# Altium PCB BACKPMANv21.PcbDoc (part 2 of 5)
Units mm, origin at the board's own origin, x right, y up, seen from the top; angles counter-clockwise.
Board outline 113 x 160 mm, 4 copper layers (Component Side, Layer 1, Layer 2, Bottom Layer), stack 1.637 mm thick; 353 components, 234 nets, 1200 pads, 796 vias.
Unrouted connection lines stored in the file: 4.
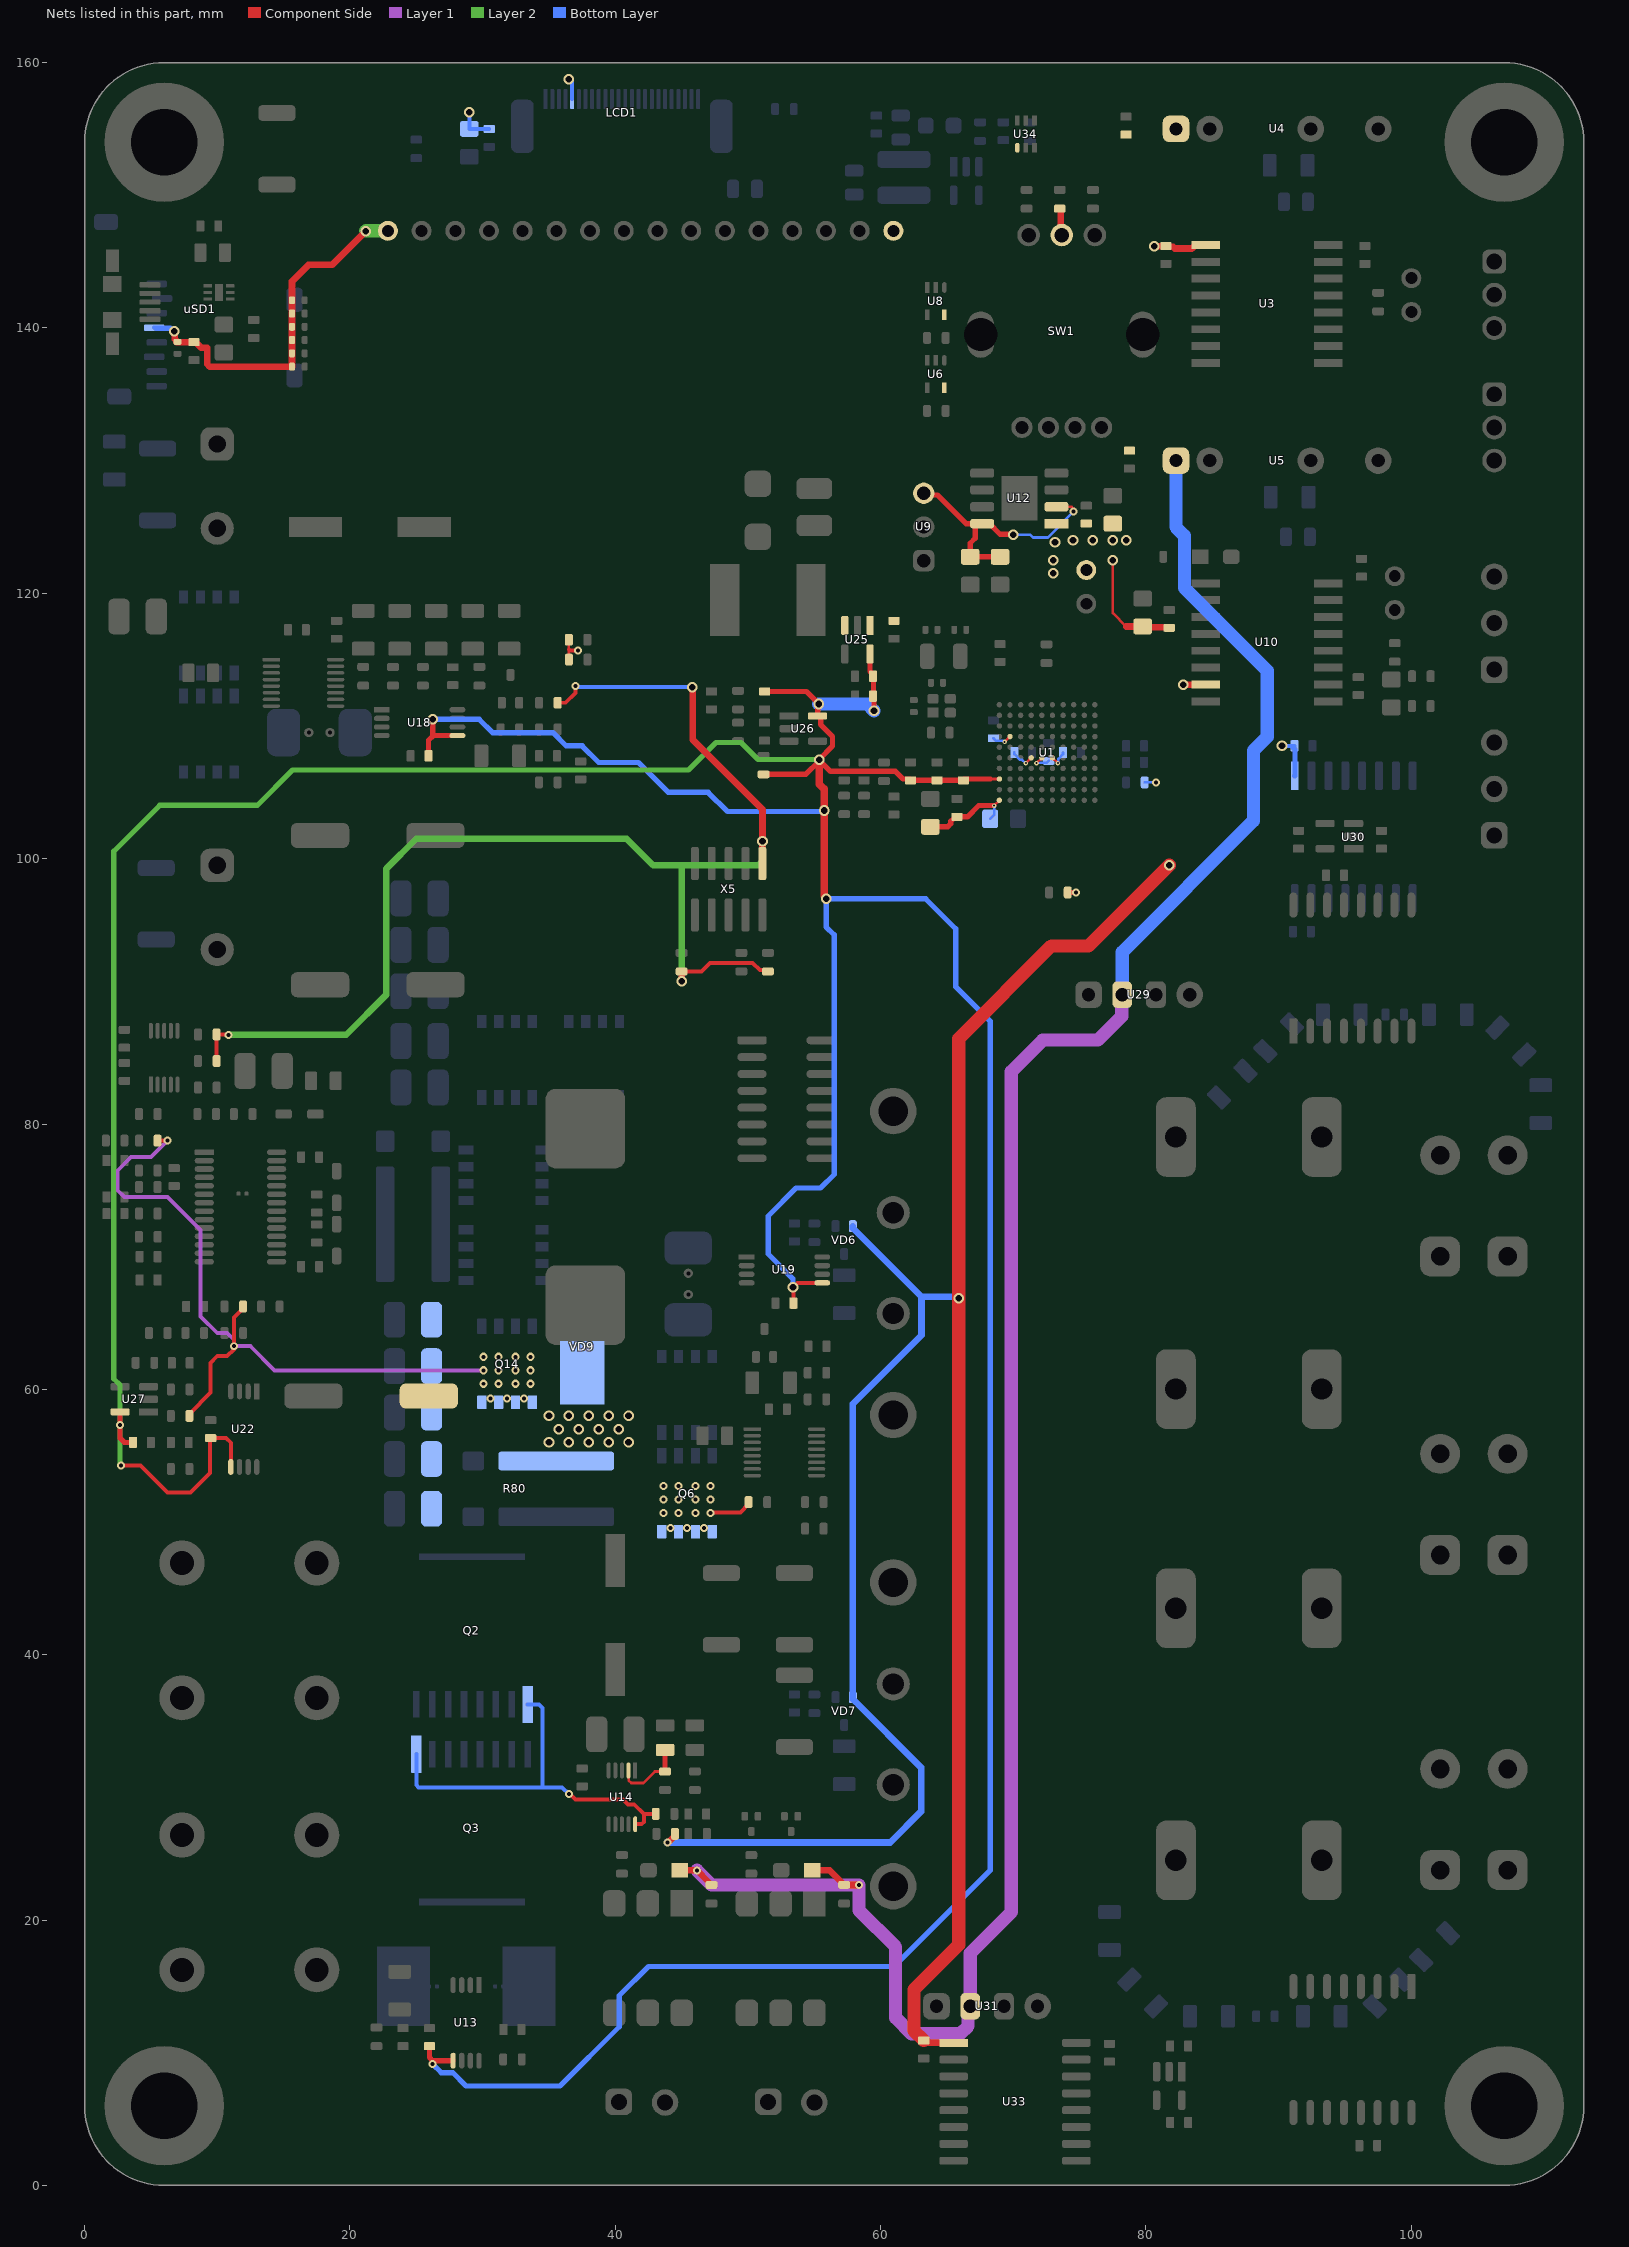
[diagram p4: the nets of this part, all layers, seen from the top]

## Part data
C1 C4 C10 C22 C30 C35 C37 C39 C40 C42 C43 C45 C46 C58 C89: library part CVNF100K0603-25, "0.1 uF, 50V, 10% , X7R,  0603 SMD MLC Capacitor", Manufacturer=WALSIN, PartName=0603B104K500CT, PartNum=2496834, Tolerance=±10%, Voltage="50 V", Distributor=Farnell
C2 C18 C19 C20 C21 C36 C41 C48: "CAP CER 10UF 10V 10% X5R 0805", Manufacturer="Taiyo Yuden", PartName=LMK212B7106KG-TD, PartNum=587-2668-1-ND, Tolerance=10%, Voltage=10V, Distributor=Digi-Key
  C18 C19 C20 C21 C36: Price=0.102$
C3 C5 C115: library part TMK212BBJ106KG-T, "10µF, ±10%, 25V, X5R, 0805 (2012 Metric), -55°C ~ 85°C, -, General Purpose", Manufacturer="Taiyo Yuden", Operating Temperature="-55°C ~ 85°C", Package / Case="0805 (2012 Metric)", PartNum=587-2985-1-ND, Temperature Coefficient=X5R, Tolerance=±10%, Voltage - Rated=25V, Distributor=Digi-Key, Features=-, Part Number=TMK212BBJ106KG-T, PartName=TMK212BBJ106KG-T, Price=0.26000
C6: library part CC0603KRX7R8BB222, "2200pF, ±10%, 25V, X7R, 0603 (1608 Metric), -55°C ~ 125°C, -, General Purpose", Manufacturer=Yageo, Operating Temperature="-55°C ~ 125°C", Package / Case="0603 (1608 Metric)", PartNum=311-3653-1-ND, Temperature Coefficient=X7R, Tolerance=±10%, Voltage - Rated=25V, Distributor=Digi-Key, Features=-, PartName=CC0603KRX7R8BB222, Part Number=CC0603KRX7R8BB222, Price=0.01610
C7 C8 C9 C38 C50 C57 C86 C107 C110 C111 C112: library part CL10B104KO8NNNC, "0.1µF, ±10%, 16V, X7R, 0603 (1608 Metric), -55°C ~ 125°C, -, General Purpose", Manufacturer="Samsung Electro-Mechanics", Operating Temperature="-55°C ~ 125°C", Package / Case="0603 (1608 Metric)", PartNum=1276-1005-1-ND, Temperature Coefficient=X7R, Tolerance=±10%, Voltage - Rated=16V, Distributor=Digi-Key, Features=-, PartName=CL10B104KO8NNNC, Part Number=CL10B104KO8NNNC, Price=0.01480
C11 C12: library part 0402N120G500CT, "12pF, ±2%, 50V, C0G, NP0, 0402 (1005 Metric), -55°C ~ 125°C, -, General Purpose", Manufacturer="Walsin Technology Corporation", Operating Temperature="-55°C ~ 125°C", Package / Case="0402 (1005 Metric)", PartNum=1292-1250-1-ND, Temperature Coefficient="C0G, NP0", Tolerance=±2%, Voltage - Rated=50V, Distributor=Digi-Key, Features=-, Part Number=0402N120G500CT, PartName=0402N120G500CT, Price=0.10000
C13 C14: library part GCM1555C1H100FA16D, "10pF, ±1%, 50V, C0G, NP0, 0402 (1005 Metric), -55°C ~ 125°C, -, Automotive", Manufacturer="Murata Electronics North America", Operating Temperature="-55°C ~ 125°C", Package / Case="0402 (1005 Metric)", PartNum=490-14348-1-ND, Temperature Coefficient="C0G, NP0", Tolerance=±1%, Voltage - Rated=50V, Distributor=Digi-Key, Features=-, Part Number=GCM1555C1H100FA16D, PartName=GCM1555C1H100FA16D, Price=0.15000
C15 C16 C17 C31 C93: library part CC0603KRX5R7BB225, "2.2µF, ±10%, 16V, X5R, 0603 (1608 Metric), -55°C ~ 85°C, -, General Purpose", Manufacturer=Yageo, Operating Temperature="-55°C ~ 85°C", Package / Case="0603 (1608 Metric)", PartNum=311-1784-1-ND, Temperature Coefficient=X5R, Tolerance=±10%, Voltage - Rated=16V, Distributor=Digi-Key, Features=-, Part Number=CC0603KRX5R7BB225, PartName=CC0603KRX5R7BB225, Price=0.07420
C23: "10uF, 50V, 20%, Y5V (F), 1210", Manufacturer="Taiyo Yuden", PartName=UMK325BJ106MM-T, PartNum=587-2225-2-ND, Tolerance=20%, Voltage=50V, Distributor=Digi-Key, Price=0.16$
C24 C90 C92 C94 C99: library part CC0603JRX7R9BB102, "1000pF, ±5%, 50V, X7R, 0603 (1608 Metric), -55°C ~ 125°C, -, General Purpose", Manufacturer=Yageo, Operating Temperature="-55°C ~ 125°C", Package / Case="0603 (1608 Metric)", PartNum=311-3361-1-ND, Temperature Coefficient=X7R, Tolerance=±5%, Voltage - Rated=50V, Distributor=Digi-Key, Features=-, Part Number=CC0603JRX7R9BB102, PartName=CC0603JRX7R9BB102, Price=0.01920
C25 C59 C74: library part 885012206034, "1000pF, ±10%, 16V, X7R, 0603 (1608 Metric), -55°C ~ 125°C, -, General Purpose", Manufacturer="Wurth Electronics Inc.", Operating Temperature="-55°C ~ 125°C", Package / Case="0603 (1608 Metric)", PartNum=732-7953-1-ND, Temperature Coefficient=X7R, Tolerance=±10%, Voltage - Rated=16V, Distributor=Digi-Key, Features=-, PartName=885012206034, Part Number=885012206034, Price=0.01920
C26 C29 C51 C52 C76 C77 C87 C88 C97 C98 C103: library part GCM188L81H104KA57D, "0.1µF, ±10%, 50V, X8L, 0603 (1608 Metric), -55°C ~ 150°C, -, Automotive", Manufacturer="Murata Electronics North America", Operating Temperature="-55°C ~ 150°C", Package / Case="0603 (1608 Metric)", PartNum=490-6049-1-ND, Temperature Coefficient=X8L, Tolerance=±10%, Voltage - Rated=50V, Distributor=Digi-Key, Features=-, Part Number=GCM188L81H104KA57D, PartName=GCM188L81H104KA57D, Price=0.06240
C27 C53: "330 uF, 50V, 120 mOhm @ 100kHz, 585 mA, 10x10, -50...+105 C", Manufacturer="Panasonic Electronic Components", Tolerance=±20%, Voltage="50 V", Distributor=Digi-Key, PartName=EEE-FT1H331GP, PartNum=EEE-FT1H331GP, Price=1.22$
C28 C54 C62 C63 C64 C65 C66 C69 C70 C71 C72 C73 C75: library part C3225X7S1H106K250AB, "10µF, ±10%, 50V, X7S, 1210 (3225 Metric), -55°C ~ 125°C, Low ESL, General Purpose", Manufacturer="TDK Corporation", Operating Temperature="-55°C ~ 125°C", Package / Case="1210 (3225 Metric)", PartNum=445-4536-1-ND, Temperature Coefficient=X7S, Tolerance=±10%, Voltage - Rated=50V, Distributor=Digi-Key, Features="Low ESL", PartName=C3225X7S1H106K250AB, Part Number=C3225X7S1H106K250AB, Price=0.71160
C32 C44 C49 C91: "10 nF, 50V, 10%, X7R, 0603 SMD MLC Capacitor", Manufacturer="Murata Electronics", PartName=GRM188R71H103KA01D, PartNum=490-1512-1-ND, Tolerance=±10%, Voltage="50 V", Distributor=Digi-Key
C33: library part GRT188R61C106KE13D, "10µF, ±10%, 16V, X5R, 0603 (1608 Metric), -55°C ~ 85°C, -, Automotive", Manufacturer="Murata Electronics North America", Operating Temperature="-55°C ~ 85°C", Package / Case="0603 (1608 Metric)", PartNum=490-12317-1-ND, Temperature Coefficient=X5R, Tolerance=±10%, Voltage - Rated=16V, Distributor=Digi-Key, Features=-, Part Number=GRT188R61C106KE13D, PartName=GRT188R61C106KE13D, Price=0.22770
C34: library part 0402B104K500CT, "0.1µF, ±10%, 50V, X7R, 0402 (1005 Metric), -55°C ~ 125°C, -, General Purpose", Manufacturer="Walsin Technology Corporation", Operating Temperature="-55°C ~ 125°C", Package / Case="0402 (1005 Metric)", PartNum=1292-1176-1-ND, Temperature Coefficient=X7R, Tolerance=±10%, Voltage - Rated=50V, Distributor=Digi-Key, Features=-, Part Number=0402B104K500CT, PartName=0402B104K500CT, Price=0.19000
C47: "10 uF, 6.3V, X5R, 10%, 0805", Manufacturer=Murata, PartNum=490-1717-1-ND, Tolerance=10%, Voltage=6.3V, Distributor=Digi-Key, PartName=GRM21BR60J106KE19L, Price=0.4$
C55 C56: library part CL10B102KB8NNWC, "1000pF, ±10%, 50V, X7R, 0603 (1608 Metric), -55°C ~ 125°C, -, General Purpose", Manufacturer="Samsung Electro-Mechanics", Operating Temperature="-55°C ~ 125°C", Package / Case="0603 (1608 Metric)", PartNum=1276-1915-1-ND, Temperature Coefficient=X7R, Tolerance=±10%, Voltage - Rated=50V, Distributor=Digi-Key, Features=-, PartName=CL10B102KB8NNWC, Part Number=CL10B102KB8NNWC, Price=0.01410
C60 C104 C105 C106 C108 C109: library part CL10B105KO8NNNC, "1µF, ±10%, 16V, X7R, 0603 (1608 Metric), -55°C ~ 125°C, -, General Purpose", Manufacturer="Samsung Electro-Mechanics", Operating Temperature="-55°C ~ 125°C", Package / Case="0603 (1608 Metric)", PartNum=1276-1019-1-ND, Temperature Coefficient=X7R, Tolerance=±10%, Voltage - Rated=16V, Distributor=Digi-Key, Features=-, PartName=CL10B105KO8NNNC, Part Number=CL10B105KO8NNNC, Price=0.02250
C61 C67 C68: "220 uF, 50V, 13 mOhm, 3.7 A 100kHz, 16.8 mm height, 10.3x10.3 mm, -55...+105 C", Manufacturer="Panasonic Electronic Components", PartNum=P124104CT-ND, Tolerance=±20%, Voltage="50 V", Distributor=Digi-Key, PartName=EEH-ZS1H221P, Price=2.54$
C78: library part 885012006054, "33pF, ±5%, 50V, C0G, NP0, 0603 (1608 Metric), -55°C ~ 125°C, -, General Purpose", Manufacturer="Wurth Electronics Inc.", Operating Temperature="-55°C ~ 125°C", Package / Case="0603 (1608 Metric)", PartNum=732-7796-1-ND, Temperature Coefficient="C0G, NP0", Tolerance=±5%, Voltage - Rated=50V, Distributor=Digi-Key, Features=-, PartName=885012006054, Part Number=885012006054, Price=0.02150
C79: library part CL10C300JB8NCNC, "30pF, ±5%, 50V, C0G, NP0, 0603 (1608 Metric), -55°C ~ 125°C, -, General Purpose", Manufacturer="Samsung Electro-Mechanics", Operating Temperature="-55°C ~ 125°C", Package / Case="0603 (1608 Metric)", PartNum=1276-2260-1-ND, Temperature Coefficient="C0G, NP0", Tolerance=±5%, Voltage - Rated=50V, Distributor=Digi-Key, Features=-, Part Number=CL10C300JB8NCNC, PartName=CL10C300JB8NCNC, Price=0.01670
C80 C81: library part C0603C103K3RACTU, "10000pF, ±10%, 25V, X7R, 0603 (1608 Metric), -55°C ~ 125°C, -, General Purpose", Manufacturer=KEMET, Operating Temperature="-55°C ~ 125°C", Package / Case="0603 (1608 Metric)", PartNum=399-7840-1-ND, Temperature Coefficient=X7R, Tolerance=±10%, Voltage - Rated=25V, Distributor=Digi-Key, Features=-, Part Number=C0603C103K3RACTU, PartName=C0603C103K3RACTU, Price=0.01690
C82 C83 C85: library part GRM188R71C224KA01J, "0.22µF, ±10%, 16V, X7R, 0603 (1608 Metric), -55°C ~ 125°C, -, General Purpose", Manufacturer="Murata Electronics North America", Operating Temperature="-55°C ~ 125°C", Package / Case="0603 (1608 Metric)", PartNum=490-11513-1-ND, Temperature Coefficient=X7R, Tolerance=±10%, Voltage - Rated=16V, Distributor=Digi-Key, Features=-, Part Number=GRM188R71C224KA01J, PartName=GRM188R71C224KA01J, Price=0.06940
C84: library part C1608X5R1E106M080AC, "10µF, ±20%, 25V, X5R, 0603 (1608 Metric), -55°C ~ 85°C, Low ESL, General Purpose", Manufacturer="TDK Corporation", Operating Temperature="-55°C ~ 85°C", Package / Case="0603 (1608 Metric)", PartNum=445-9015-1-ND, Temperature Coefficient=X5R, Tolerance=±20%, Voltage - Rated=25V, Distributor=Digi-Key, Features="Low ESL", PartName=C1608X5R1E106M080AC, Part Number=C1608X5R1E106M080AC, Price=0.48300
C95 C96 C100: library part EMK107BJ105KA-T, "1µF, ±10%, 16V, X5R, 0603 (1608 Metric), -55°C ~ 85°C, -, General Purpose", Manufacturer="Taiyo Yuden", Operating Temperature="-55°C ~ 85°C", Package / Case="0603 (1608 Metric)", PartNum=587-1251-1-ND, Temperature Coefficient=X5R, Tolerance=±10%, Voltage - Rated=16V, Distributor=Digi-Key, Features=-, Part Number=EMK107BJ105KA-T, PartName=EMK107BJ105KA-T, Price=0.02330
C101 C102: library part CC0603JRX7R9BB473, "0.047µF, ±5%, 50V, X7R, 0603 (1608 Metric), -55°C ~ 125°C, -, General Purpose", Manufacturer=Yageo, Operating Temperature="-55°C ~ 125°C", Package / Case="0603 (1608 Metric)", PartNum=311-4019-1-ND, Temperature Coefficient=X7R, Tolerance=±5%, Voltage - Rated=50V, Distributor=Digi-Key, Features=-, Part Number=CC0603JRX7R9BB473, PartName=CC0603JRX7R9BB473, Price=0.03660
C113 C114: "4700pF ±10% 1000V (1kV) Ceramic Capacitor X7R 0805 (2012 Metric),-55°C ~ 125°C", Manufacturer=KEMET, PartNum=399-6470-1-ND, Tolerance=10%, Voltage=1000V, Distributor=Digi-Key, PartName=C0805V472KDRACTU, Price=0.3$
E3 E4: library part "823 560 501 01", "SUPPRESSOR ESD 5VDC, 56pF,  0603, -40..+85C", Manufacturer="Würth Elektronik", Voltage=5V, Distributor="Würth Elektronik", PartName="823 560 505 60", PartNum="823 560 505 60"
F1: "PTC RESETTABLE 60V 750MA, It=1.5A, 0.3s 2920(7351)", Manufacturer="Bel Fuse Inc.", PartNum=507-1743-1-ND, Distributor=Digi-Key, PartName=0ZCF0075AF2C
J1 J2 J3: library part Jumper, "2 Pos. 2.54 mm Single Row Through Hole Straight Pin Header", Manufacturer="ADAM TECH", Distributor=Future, PartName=PH1-02-TA-HT, PartNum=PH1-02-TA-HT, Price="0.02 Euro"
  J2 J3: Price50="0.02 Euro", Price100="0.02 Euro", Price1000="0.02 Euro"
K1 K2: "General Purpose Relay 3PST-2NO/1NC (2 Form A, 1 Form B) 24VDC Coil Through Hole, Coil Resistance 306 Ohms, Contact Rating (Current) 35A, -40°C ~ 55°C", Manufacturer="Panasonic Electric Works", PartNum=255-5914-ND, Distributor=Digi-Key, PartName=AHES4292, Price=21.7
L1: "10uH, 890 mA, 0.228 Ohm, +-20%,- 40 C to + 105 C", Manufacturer="TDK Corporation", PartNum=445-6681-1-ND, Tolerance=±20%, Distributor=Mouser, PartName=VLS4012ET-100M
L2 L6: "Ferrite bead, 330 Ohm, 100 MHz,  1.5 A, 0.07 Ohm", Manufacturer="Murata Electronics North America", Tolerance=25%, Distributor=Future, PartName=BLM18SG331TN1D, PartNum=BLM18SG331TN1D, Price="0.03 Euro"
L4: "FERRITE BEAD 600 OHM, 0805, -55°C ~ 125°C", Manufacturer="TDK Corporation", PartNum=445-2206-1-ND, Distributor=Digi-Key, PartName=MPZ2012S601AT000, Price=0.05$
L5: "2.6 uH, 31.5 A, ±20%, 1.58 mOhm, -40°C ~ 125°C", Manufacturer="Würth Elektronik", PartNum=732-2170-1-ND, Tolerance=±20%, Distributor=Digi-Key, PartName=7443556260, Price=5.35$
LCD1: "1.5\"OLED Display Serial 128x64 Module,SSD1309,White on Black", Manufacturer="Orient Display", PartName=AOM12864A0-1.54WW, PartNum=2544-AOM12864A0-1.54WW-ND, Distributor=Digi-Key
LED1 LED2 LED17: "0805 red LED, hibright, 2 mA, 1.8V, 130°", Manufacturer=Rohm, PartNum=511-1292-1-ND, Distributor=Digi-Key, PartName=SML-211UTT86, Price=0.34$
OPT1 OPT2: "Opto relay, SPST-NO, AC DC, 250 mOhm, 2A, 0-60V, 6-SMD, -55..50C", Manufacturer="Vishay Semiconductor Opto Division", PartNum=VO14642AABCT-ND, Distributor=DigiKey, PartName=VO14642AABTR, Price=2.9$
Q1 Q4: "NPN 50V 100MA SOT-523F", Manufacturer="Fairchild Semiconductor", PartNum=FJY3002RCT-ND, Distributor=Digi-Key, Price=0.11$
Q2 Q3: library part IPT007N06NATMA1, "MOSFET N CH 60V 300A, 0.75 mOhm @ 150A 10V, 287nC @ 10V, PG-HSOF-8-1, -55°C ~ 175°C", Manufacturer="Infineon Technologies", PartNum=IPT007N06NATMA1CT-ND, Distributor=Digi-Key, PartName=IPT007N06NATMA1, Price=5.9$
Q5 Q6 Q7 Q8: library part NVMFS5C604NLAFT1G, "MOSFET N-CH, 287 A, 60V, Vgs=±20V, 1.2 mOhm, 52nC @ 4.5V, 5-DFN (5x6), -55°C ~ 175°C", Manufacturer="Texas Instruments", PartNum=NVMFS5C604NLAFT1GOSCT-ND, Distributor=Digi-Key, PartName=NVMFS5C604NLAFT1G, Price=2.68$
Q9 Q10: "MOSFETs N-CH, 2V @ 1mA, 6 Ohm @ 170mA, 10V, 170mA, 100V, SOT-323,  -55°C ~ 150°C", Manufacturer="Diodes Incorporated", PartNum=BSS123WQ-7-FDICT-ND, Distributor=Digi-Key, PartName=BSS123WQ-7-F, Price=0.2$
Q12 Q13 Q14 Q17 Q18: "MOSFET N-CH, 100 A, 60V, Vgs=±20V, 1.8 mOhm, 41nC @ 10V, 5-DFN (5x6), -55°C ~ 150°C", Manufacturer="Texas Instruments", PartNum=296-37963-1-ND, Distributor=Digi-Key, PartName=CSD18540Q5BT, Price="2.32 Euro", Supplier 1=Digi-Key, Supplier Part Number 1=296-37963-1-ND
R1 R7 R10 R11 R12 R13 R14 R17: "10 K, 1%, 0603, SMD Resistor, Taped", Manufacturer=Vishay, Tolerance=1%, Voltage="75 V", Distributor=Schukat, PartNum=RL0603K010-1, Price="0.002 Euro"
R2 R6 R71 R77: "0 R, Jumper, 0603, SMD Resistor, -55°C ~ 155°C", Manufacturer=Yageo, PartNum=311-0.0HRCT-ND, Voltage="75 V", Distributor=Digi-Key, PartName=RC0603FR-070RL, Price=0.005$
R3: library part RMCF0603FT910K, "910 kOhms, ±1%, 0.1W, 1/10W, Thick Film, ±100ppm/°C, 0603 (1608 Metric), -55°C ~ 155°C, Automotive AEC-Q200", Manufacturer="Stackpole Electronics Inc.", Operating Temperature="-55°C ~ 155°C", Package / Case="0603 (1608 Metric)", PartNum=RMCF0603FT910KCT-ND, Power (Watts)="0.1W, 1/10W", Temperature Coefficient=±100ppm/°C, Tolerance=±1%, Voltage=75V, Distributor=Digi-Key, Features="Automotive AEC-Q200", PartName=RMCF0603FT910K, Part Number=RMCF0603FT910K, Price=0.00690
R4: library part RMCF0603FT220K, "220 kOhms, ±1%, 0.1W, 1/10W, Thick Film, ±100ppm/°C, 0603 (1608 Metric), -55°C ~ 155°C, Automotive AEC-Q200", Manufacturer="Stackpole Electronics Inc.", Operating Temperature="-55°C ~ 155°C", Package / Case="0603 (1608 Metric)", PartNum=RMCF0603FT220KCT-ND, Power (Watts)="0.1W, 1/10W", Temperature Coefficient=±100ppm/°C, Tolerance=±1%, Voltage=75V, Distributor=Digi-Key, Features="Automotive AEC-Q200", PartName=RMCF0603FT220K, Part Number=RMCF0603FT220K, Price=0.00690
R5: library part RMCF0603FT24K9, "24.9 kOhms, ±1%, 0.1W, 1/10W, Thick Film, ±100ppm/°C, 0603 (1608 Metric), -55°C ~ 155°C, Automotive AEC-Q200", Manufacturer="Stackpole Electronics Inc.", Operating Temperature="-55°C ~ 155°C", Package / Case="0603 (1608 Metric)", PartNum=RMCF0603FT24K9CT-ND, Power (Watts)="0.1W, 1/10W", Temperature Coefficient=±100ppm/°C, Tolerance=±1%, Voltage=75V, Distributor=Digi-Key, Features="Automotive AEC-Q200", PartName=RMCF0603FT24K9, Part Number=RMCF0603FT24K9, Price=0.00690
R8 R15 R16: library part RMCF0603FT120R, "120 Ohms, ±1%, 0.1W, 1/10W, Thick Film, ±100ppm/°C, 0603 (1608 Metric), -55°C ~ 155°C, Automotive AEC-Q200", Manufacturer="Stackpole Electronics Inc.", Operating Temperature="-55°C ~ 155°C", Package / Case="0603 (1608 Metric)", PartNum=RMCF0603FT120RCT-ND, Power (Watts)="0.1W, 1/10W", Temperature Coefficient=±100ppm/°C, Tolerance=±1%, Voltage=75V, Distributor=Digi-Key, Features="Automotive AEC-Q200", PartName=RMCF0603FT120R, Part Number=RMCF0603FT120R, Price=0.00690
R9 R22 R34 R38 R41 R42: library part RMCF0402FT22K0, "22 kOhms, ±1%, 0.063W, 1/16W, Thick Film, ±100ppm/°C, 0402 (1005 Metric), -55°C ~ 155°C, Automotive AEC-Q200", Manufacturer="Stackpole Electronics Inc", Operating Temperature="-55°C ~ 155°C", Package / Case="0402 (1005 Metric)", PartNum=RMCF0402FT22K0CT-ND, Power (Watts)="0.063W, 1/16W", Temperature Coefficient=±100ppm/°C, Tolerance=±1%, Voltage=75V, Distributor=Digi-Key, Features="Automotive AEC-Q200", Part Number=RMCF0402FT22K0, PartName=RMCF0402FT22K0, Price=0.10000
R18 R25: library part RMCF0603FT1K50, "1.5 kOhms, ±1%, 0.1W, 1/10W, Thick Film, ±100ppm/°C, 0603 (1608 Metric), -55°C ~ 155°C, Automotive AEC-Q200", Manufacturer="Stackpole Electronics Inc.", Operating Temperature="-55°C ~ 155°C", Package / Case="0603 (1608 Metric)", PartNum=RMCF0603FT1K50CT-ND, Power (Watts)="0.1W, 1/10W", Temperature Coefficient=±100ppm/°C, Tolerance=±1%, Voltage=75V, Distributor=Digi-Key, Features="Automotive AEC-Q200", PartName=RMCF0603FT1K50, Part Number=RMCF0603FT1K50, Price=0.00690
R19 R26: "1 K, 1%, 0603, SMD Resistor, Taped", Manufacturer=Vishay, Tolerance=1%, Voltage="75 V", Distributor=Schukat, PartNum=RL0603K001-1, Price="0.002 Euro"
R20 R67 R83: library part ERA-3AEB472V, "4,7 kOhms, ±0.1%, 0.1W, 1/10W, Thin Film, ±25ppm/°C, 0603 (1608 Metric), -55°C ~ 155°C, Automotive AEC-Q200", Manufacturer="Panasonic Electronic Components", Operating Temperature="-55°C ~ 155°C", Package / Case="0603 (1608 Metric)", PartNum=P4.7KDBCT-ND, Power (Watts)="0.1W, 1/10W", Temperature Coefficient=±25ppm/°C, Tolerance=±0.1%, Voltage=75V, Distributor=Digi-Key, Features="Automotive AEC-Q200", Part Number=ERA-3AEB472V, PartName=ERA-3AEB472V, Price=0.26
R21 R85 R87 R103 R104 R105: library part RMCF0603FG1K00, "1 kOhms, ±1%, 0.1W, 1/10W, Thick Film, ±100ppm/°C, 0603 (1608 Metric), -55°C ~ 155°C, Automotive AEC-Q200", Manufacturer="Stackpole Electronics Inc.", Operating Temperature="-55°C ~ 155°C", Package / Case="0603 (1608 Metric)", PartNum=RMCF0603FG1K00CT-ND, Power (Watts)="0.1W, 1/10W", Temperature Coefficient=±100ppm/°C, Tolerance=±1%, Voltage=75V, Distributor=Digi-Key, Features="Automotive AEC-Q200", PartName=RMCF0603FG1K00, Part Number=RMCF0603FG1K00, Price=0.00690
R23 R61 R81: library part RMCF1206FT100K, "100 kOhms, ±0.1%, 0.25W, 1/4W, Thick Film, ±15ppm/°C, 1206 (3216 Metric), -55°C ~ 155°C, Automotive AEC-Q200", Manufacturer="Panasonic Electronic Components", Operating Temperature="-55°C ~ 155°C", Package / Case="1206 (3216 Metric)", Part Number=ERA-8APB104V, Power (Watts)="0.25W, 1/4W", Temperature Coefficient=±15ppm/°C, Tolerance=±0.1%, Voltage=200V, Distributor=Digi-Key, Features="Automotive AEC-Q200", PartName=ERA-8APB104V, PartNum=ERA-8APB104V, Price=0.88$
R24: "Curr.sens.res. 0.001 OHM 5W 1% 4527 SMD", Manufacturer=Vishay/Dale, PartNum=WSRC-.001CT-ND, Tolerance=1%, Distributor=Digi-Key, PartName=WSR51L000FEA, Price=5.27$
R27 R30 R31 R62 R68 R72 R76 R78 R89 R99: library part CR0603-FX-1002GLF, "10 kOhms, ±1%, 0.1W, 1/10W, Thick Film, ±100ppm/°C, 0603 (1608 Metric), -55°C ~ 155°C, Moisture Resistant", Manufacturer="Bourns Inc.", Operating Temperature="-55°C ~ 155°C", Package / Case="0603 (1608 Metric)", PartNum=CR0603-FX-1002GLFCT-ND, Power (Watts)="0.1W, 1/10W", Temperature Coefficient=±100ppm/°C, Tolerance=±1%, Voltage=75V, Distributor=Digi-Key, Features="Moisture Resistant", PartName=CR0603-FX-1002GLF, Part Number=CR0603-FX-1002GLF, Price=0.00860
R28 R29: library part CRCW08055M60FKEA, "5.6 MOhms, ±1%, 0.125W, 1/8W, Thick Film, ±100ppm/°C, 0805 (2012 Metric), -55°C ~ 155°C, Automotive AEC-Q200", Manufacturer="Vishay Dale", Operating Temperature="-55°C ~ 155°C", Package / Case="0805 (2012 Metric)", PartNum=541-5.60MCCT-ND, Power (Watts)="0.125W, 1/8W", Temperature Coefficient=±100ppm/°C, Tolerance=±1%, Voltage=150V, Distributor=Digi-Key, Features="Automotive AEC-Q200", PartName=CRCW08055M60FKEA, Part Number=CRCW08055M60FKEA, Price=0.02230
R32: library part RMCF0603FT191K, "191 kOhms, ±1%, 0.1W, 1/10W, Thick Film, ±100ppm/°C, 0603 (1608 Metric), -55°C ~ 155°C, Automotive AEC-Q200", Manufacturer="Stackpole Electronics Inc.", Operating Temperature="-55°C ~ 155°C", Package / Case="0603 (1608 Metric)", PartNum=RMCF0603FT191KCT-ND, Power (Watts)="0.1W, 1/10W", Temperature Coefficient=±100ppm/°C, Tolerance=±1%, Voltage=75V, Distributor=Digi-Key, Features="Automotive AEC-Q200", PartName=RMCF0603FT191K, Part Number=RMCF0603FT191K, Price=0.00690
R33: library part RMCF0603FT86K6, "86.6 kOhms, ±1%, 0.1W, 1/10W, Thick Film, ±100ppm/°C, 0603 (1608 Metric), -55°C ~ 155°C, Automotive AEC-Q200", Manufacturer="Stackpole Electronics Inc.", Operating Temperature="-55°C ~ 155°C", Package / Case="0603 (1608 Metric)", PartNum=RMCF0603FT86K6CT-ND, Power (Watts)="0.1W, 1/10W", Temperature Coefficient=±100ppm/°C, Tolerance=±1%, Voltage=75V, Distributor=Digi-Key, Features="Automotive AEC-Q200", PartName=RMCF0603FT86K6, Part Number=RMCF0603FT86K6, Price=0.00690
R35 R35_1 R36 R39 R40 R40_1 R44 R44_1 R45 R47 R48 R48_1: library part RMCF1206FT330K, "330 kOhms, ±1%, 0.25W, 1/4W, Thick Film, ±100ppm/°C, 1206 (3216 Metric), -55°C ~ 155°C, Automotive AEC-Q200", Manufacturer="Stackpole Electronics Inc.", Operating Temperature="-55°C ~ 155°C", Package / Case="1206 (3216 Metric)", PartNum=RMCF1206FT330KCT-ND, Power (Watts)="0.25W, 1/4W", Temperature Coefficient=±100ppm/°C, Tolerance=±1%, Voltage=200V, Distributor=Digi-Key, Features="Automotive AEC-Q200", Part Number=RMCF1206FT330K, PartName=RMCF1206FT330K, Price=0.01500
R37 R46: library part RMCF0603FT910R, "910 Ohms, ±1%, 0.1W, 1/10W, Thick Film, ±100ppm/°C, 0603 (1608 Metric), -55°C ~ 155°C, Automotive AEC-Q200", Manufacturer="Stackpole Electronics Inc.", Operating Temperature="-55°C ~ 155°C", Package / Case="0603 (1608 Metric)", PartNum=RMCF0603FT910RCT-ND, Power (Watts)="0.1W, 1/10W", Temperature Coefficient=±100ppm/°C, Tolerance=±1%, Voltage=75V, Distributor=Digi-Key, Features="Automotive AEC-Q200", Part Number=RMCF0603FT910R, PartName=RMCF0603FT910R, Price=0.00690
R49: "120 R, 1%, 0603, SMD Resistor, Taped", Manufacturer=Vishay, PartName=RL0603E120, Tolerance=±1%, Voltage="75 V", Distributor=Schukat, PartNum=RL0603E120